# KiCad board AGBM-02_AA_1-1_GBE-plus-CXC_kicad10.kicad_pcb
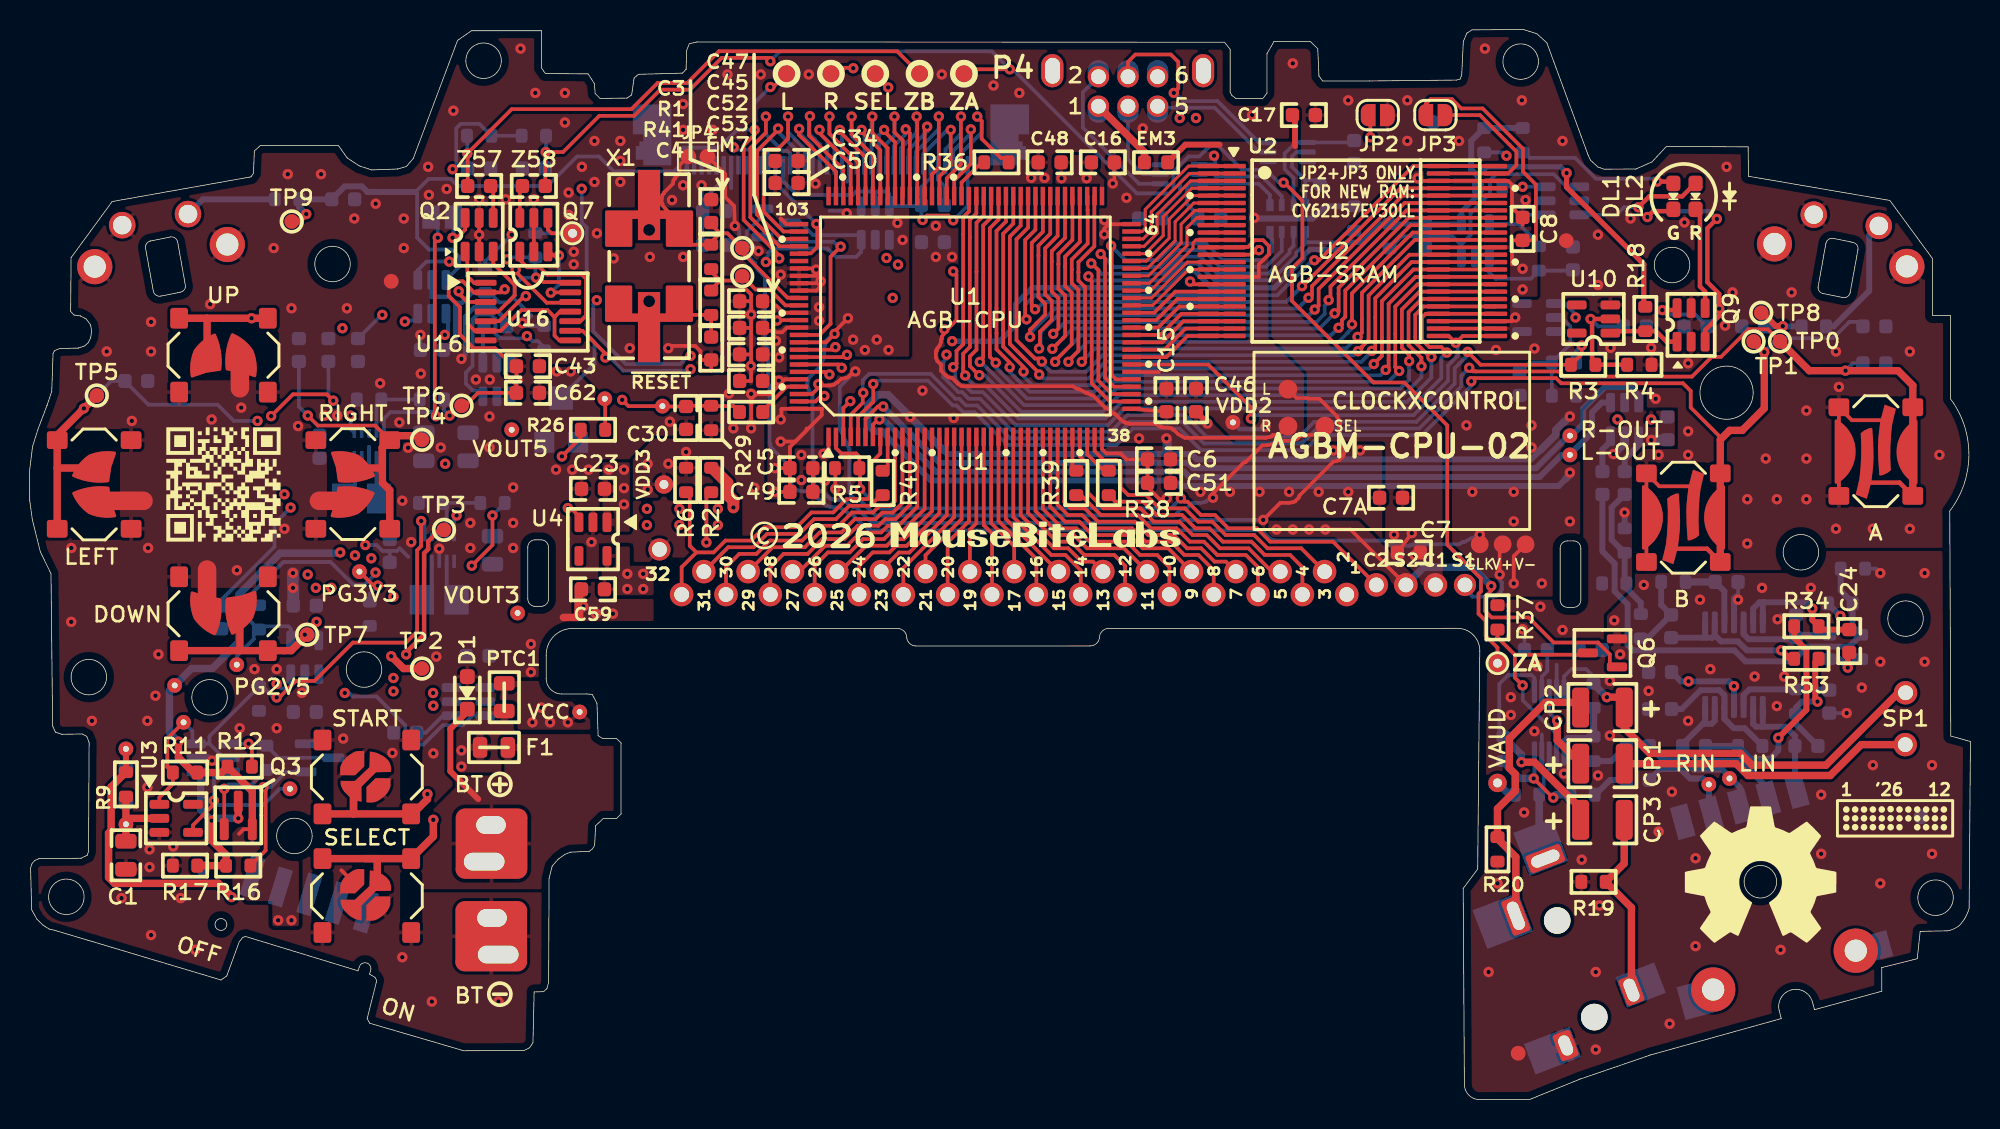
[diagram p0: board, top side]
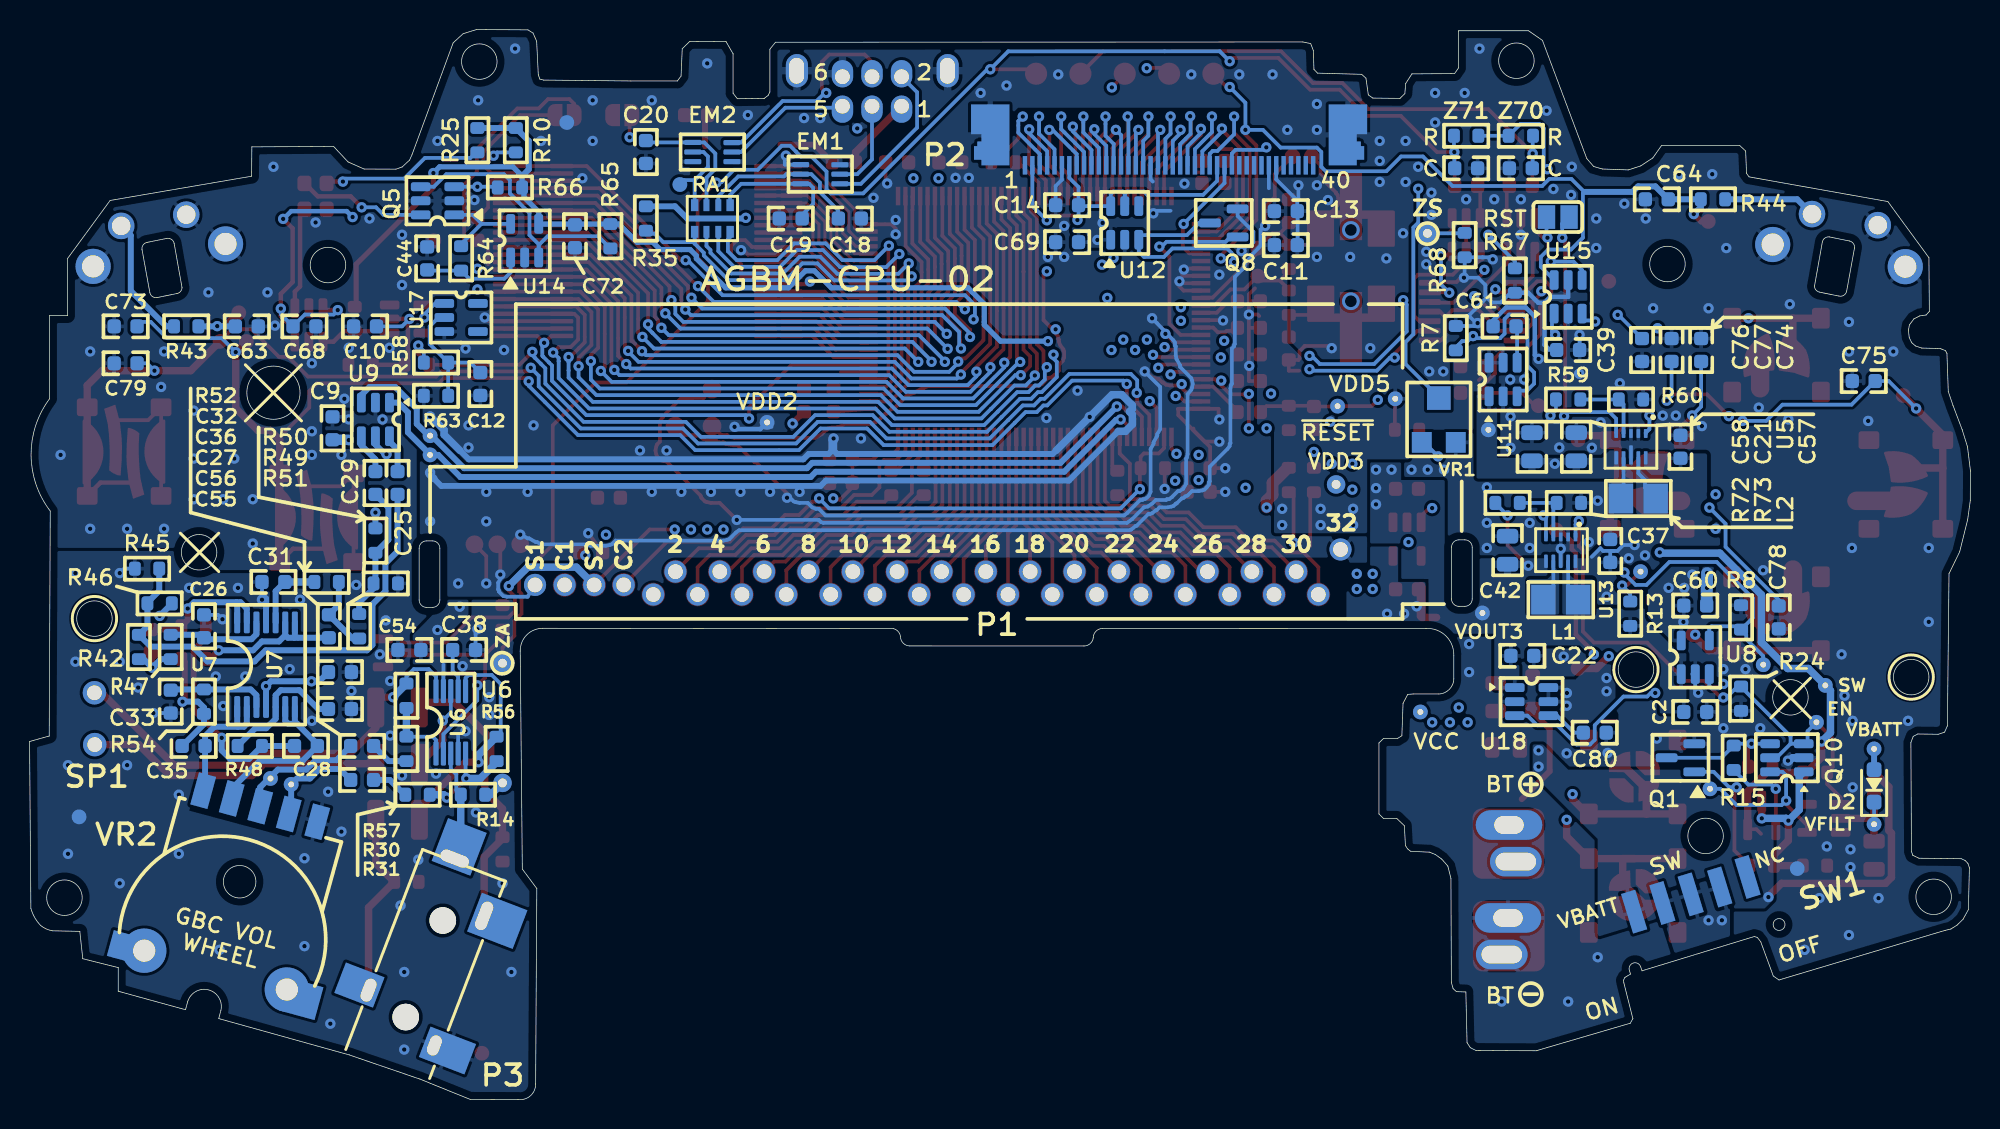
[diagram p1: board, bottom side, seen from below]

Outline 131.32 x 72.42 mm; copper layers: Top, In1.Cu, In2.Cu, Bottom. Coordinates in mm from the lower left corner of the outline.
Outline path: circle c2.49,13.72 r1.2 ; circle c4.01,28.59 r1.2 ; circle c12.18,27.22 r1.2 ; circle c17.92,17.84 r1.2 ; circle c20.5,56.55 r1.2 ; circle c22.63,29.1 r1.2 ; circle c30.72,70.31 r1.2 ; circle c100.89,70.25 r1.2 ; circle c111.13,56.48 r1.2 ; circle c114.82,47.84 r1.8 ; circle c119.85,37.04 r1.2 ; circle c126.93,32.55 r1.2 ; circle c128.96,13.66 r1.2 ; 0,42.55 0.01,40.54 0.19,39.24 0.73,37.07 1.45,35.59 1.56,25.29 1.75,24.86 2.18,24.72 3.56,24.74 3.87,24.58 4.03,24.16 3.99,16.78 3.9,16.53 3.48,16.33 0.62,16.3 0.35,16.17 0.17,15.98 0.07,15.68 0.14,12.85 0.5,12.2 0.91,11.8 1.32,11.54 1.7,11.45 12.95,8.09 13.34,8.36 14.19,10.68 14.42,10.97 14.62,11.03 22.22,8.71 22.32,9 arc(22.84,9.23) 23.07,8.71 23,8.49 23.38,8.26 23.48,8.07 23.45,7.89 22.84,5.47 23.02,5.16 29.37,3.3 33.46,3.32 33.84,3.51 34.06,3.85 34.14,7.28 34.78,7.3 35,7.5 35.12,7.92 35.15,14.96 35.36,15.8 35.77,16.27 36.2,16.58 36.59,16.74 37.88,16.8 38.09,16.97 38.23,17.19 38.3,18.53 38.82,19.03 39.72,19.03 40.02,19.33 40.02,24.13 39.72,24.43 38.78,24.43 38.47,24.62 38.39,26.82 38.07,27.42 37.7,27.45 36,27.45 arc(35.26,27.75) 34.96,28.49 34.96,30.06 arc(35.49,31.38) 36.83,31.88 58.72,31.88 arc(59.16,31.7) 59.35,31.25 arc(59.56,30.86) 59.98,30.7 71.76,30.7 arc(72.21,30.89) 72.39,31.33 arc(72.55,31.68) 72.87,31.87 96.61,31.89 arc(97.69,31.44) 98.12,30.35 97.98,15.6 97,14.28 97.08,1.03 arc(97.33,0.35) 98.28,0 101.51,0.01 104.9,1.38 109.69,3.02 118.52,5.48 118.38,6.01 arc(119.2,7.41) 120.62,6.63 120.77,6.08 125.32,7.33 125.32,8.93 127.72,9.53 127.92,11.38 129.76,11.42 arc(130.01,11.47) 130.58,11.79 arc(130.98,12.32) 131.23,12.94 131.32,24.23 129.99,24.6 129.92,39.83 arc(131.22,43.62) 129.97,47.43 129.97,53.06 128.75,53.06 128.75,56.92 125.87,60.85 116.3,62.49 116.28,64.48 110.75,64.51 109.77,63.46 108.68,62.98 106.53,62.97 106.11,63.12 105.61,63.58 105.45,63.93 102.66,71.52 101.98,72.14 101.07,72.42 97.6,72.4 97.25,72.18 97.01,71.62 96.9,69.37 96.8,69.07 96.54,69 90.63,68.94 87.49,68.94 87.24,69.27 87.16,71.12 86.65,71.62 84.2,71.61 83.72,70.78 83.72,68.11 83.43,67.74 81.61,67.76 81.35,67.96 81.23,68.19 81.23,71.09 80.85,71.56 45.17,71.58 44.64,71.47 44.46,71 44.42,69.73 44.18,69.47 41.19,69.39 40.9,69.13 40.74,68 40.43,67.78 38.6,67.76 38.27,68.08 38.21,68.77 37.79,69.42 34.9,69.44 34.64,69.82 34.64,72.34 29.9,72.34 28.96,71.69 25.96,63.69 25.49,63.15 24.9,62.98 23.14,62.92 22.31,63.19 21.49,63.73 20.9,64.57 15.61,64.57 15.21,64.2 15.15,62.69 14.98,62.45 5.59,60.78 2.81,56.98 2.78,53.34 3,53.1 3.43,53.04 3.83,52.83 4.13,52.43 4.2,52.05 4.14,51.57 3.97,51.22 3.71,51 3.29,50.86 2.04,50.83 1.69,50.69 1.59,50.5 1.5,47.92 1.18,46.98 0.56,45.34 0.2,44.18 0,42.55 ; 7.85,57.63 arc(7.92,57.94) 8.19,58.11 9.54,58.38 arc(9.85,58.31) 10.02,58.03 10.55,55.05 arc(10.47,54.82) 10.21,54.65 8.9,54.38 arc(8.55,54.45) 8.37,54.73 7.85,57.63 ; 33.71,37.38 arc(33.86,37.73) 34.21,37.88 34.61,37.88 arc(34.96,37.73) 35.11,37.38 35.11,33.88 arc(34.96,33.53) 34.61,33.38 34.21,33.38 arc(33.86,33.53) 33.71,33.88 33.71,37.38 ; 103.56,37.31 arc(103.71,37.66) 104.06,37.81 104.46,37.81 arc(104.81,37.66) 104.96,37.31 104.96,33.81 arc(104.81,33.46) 104.46,33.31 104.06,33.31 arc(103.71,33.46) 103.56,33.81 103.56,37.31 ; 121.34,54.55 arc(121.09,54.72) 121.01,54.96 121.54,57.93 arc(121.71,58.21) 122.07,58.28 123.37,58.01 arc(123.64,57.84) 123.71,57.53 123.19,54.63 arc(123.01,54.35) 122.7,54.28 121.34,54.55
Stack: Top 0.035mm / dielectric 0.1mm FR4 er 4.5 / In1.Cu 0.035mm / dielectric 0.84mm FR4 er 4.5 / In2.Cu 0.035mm / dielectric 0.1mm FR4 er 4.5 / Bottom 0.035mm

## Placement (name value [footprint] x y rotation side)
BT1  Battery  [AGB-Battery]  31.22 14.13 0 top  (not fitted)
C1  22u  [C_0805_2012Metric_Boxed_2]  6.52 16.53 270 top
C2  10u  [C_0603_1608Metric_Boxed_2]  18.62 26.23 180 bottom
C3  27p  [C_0603_1608Metric_Boxed_2]  46.12 60.13 270 top  (not fitted)
C4  33p  [C_0603_1608Metric_Boxed_2]  46.12 50.83 270 top  (not fitted)
C5  0.1u  [C_0603_1608Metric_Boxed_2]  52.22 42.73 180 top
C6  0.1u  [C_0603_1608Metric_Boxed_2]  76.42 43.33 0 top
C7  0.1u  [C_0603_1608Metric_Boxed_2]  93.32 37.03 180 top
C7A  0.1u DNP-alt  [C_0603_1608Metric_Boxed_2]  92.12 40.73 180 top  (not fitted)
C8  0.1u  [C_0603_1608Metric_Boxed_2]  101.02 58.93 90 top
C9  1u  [C_0603_1608Metric_Boxed_2]  110.82 45.43 90 bottom
C10  0.1u  [C_0603_1608Metric_Boxed_2]  108.62 52.33 0 bottom
C11  1u  [C_0603_1608Metric_Boxed_2]  46.32 57.83 180 bottom
C12  10u  [C_0603_1608Metric_Boxed_2]  100.82 48.43 270 bottom
C13  0.1u  [C_0603_1608Metric_Boxed_2]  46.32 60.13 180 bottom
C14  0.1u  [C_0603_1608Metric_Boxed_2]  61.12 60.53 0 bottom
C15  0.1u  [C_0603_1608Metric_Boxed_2]  76.92 47.33 270 top
C16  0.1u  [C_0603_1608Metric_Boxed_2]  72.62 63.43 0 top
C17  0.1u  [C_0603_1608Metric_Boxed_2]  86.22 66.63 0 top
C18  100p  [C_0603_1608Metric_Boxed_2]  75.82 59.63 180 bottom
C19  100p  [C_0603_1608Metric_Boxed_2]  79.82 59.63 0 bottom
C20  100p  [C_0603_1608Metric_Boxed_2]  89.62 64.13 270 bottom
C21  22u  [C_0805_2012Metric_Boxed_2]  26.67 44.18 90 bottom
C22  1u  [C_0603_1608Metric_Boxed_2]  30.32 30.03 180 bottom
C23  10u  [C_0603_1608Metric_Boxed_2]  38.12 41.33 180 top
C24  1000p  [C_0603_1608Metric_Boxed_2]  123.12 31.03 90 top
C25  1u  [C_0603_1608Metric_Boxed_2]  106.42 41.73 270 bottom
C26  680p  [C_0603_1608Metric_Boxed_2]  119.52 32.03 90 bottom
C27  330p  [C_0603_1608Metric_Boxed_2]  110.32 26.43 180 bottom
C28  3300p  [C_0603_1608Metric_Boxed_2]  112.62 23.93 180 bottom
C29  1u  [C_0603_1608Metric_Boxed_2]  107.92 41.73 270 bottom
C30  1u  [C_0603_1608Metric_Boxed_2]  44.42 46.13 90 top
C31  680p  [C_0603_1608Metric_Boxed_2]  114.82 35.03 0 bottom
C32  1000p  [C_0603_1608Metric_Boxed_2]  111.07 32.03 270 bottom
C33  330p  [C_0603_1608Metric_Boxed_2]  121.77 26.93 270 bottom
C34  0.1u  [C_0603_1608Metric_Boxed_2]  51.22 63.53 0 top
C35  3300p  [C_0603_1608Metric_Boxed_2]  120.22 23.93 180 bottom
C36  1u  [C_0603_1608Metric_Boxed_2]  110.32 28.93 180 bottom
C37  10u  [C_0603_1608Metric_Boxed_2]  24.37 37.13 90 bottom
C38  1u  [C_0603_1608Metric_Boxed_2]  101.92 30.43 180 bottom
C39  0.1u  [C_0603_1608Metric_Boxed_2]  27.22 50.73 180 bottom
C42  22u  [C_0805_2012Metric_Boxed_2]  31.32 37.18 90 bottom
C43  0.1u  [C_0603_1608Metric_Boxed_2]  33.72 49.63 180 top
C44  1u  [C_0603_1608Metric_Boxed_2]  104.42 56.93 90 bottom
C45  1u  [C_0603_1608Metric_Boxed_2]  48.82 52.23 180 top
C46  1u  [C_0603_1608Metric_Boxed_2]  78.92 47.33 270 top
C47  1u  [C_0603_1608Metric_Boxed_2]  48.82 54.03 180 top
C48  1u  [C_0603_1608Metric_Boxed_2]  69.02 63.43 180 top
C49  1u  [C_0603_1608Metric_Boxed_2]  52.22 41.13 180 top
C50  1u  [C_0603_1608Metric_Boxed_2]  51.22 62.03 0 top
C51  1u  [C_0603_1608Metric_Boxed_2]  76.42 41.73 0 top
C52  0.1u  [C_0603_1608Metric_Boxed_2]  48.82 50.43 180 top
C53  0.1u  [C_0603_1608Metric_Boxed_2]  48.82 48.63 180 top
C54  1u  [C_0603_1608Metric_Boxed_2]  105.62 30.43 0 bottom
C55  1u  [C_0603_1608Metric_Boxed_2]  108.82 21.63 180 bottom
C56  1u  [C_0603_1608Metric_Boxed_2]  108.82 23.93 180 bottom
C57  10u  [C_0603_1608Metric_Boxed_2]  19.62 44.18 90 bottom
C58  22u  [C_0805_2012Metric_Boxed_2]  29.67 44.18 90 bottom
C59  10u  [C_0603_1608Metric_Boxed_2]  38.12 34.53 180 top
C60  10u  [C_0603_1608Metric_Boxed_2]  18.62 33.43 180 bottom
C61  3300p  [C_0603_1608Metric_Boxed_2]  31.52 52.33 0 bottom
C62  0.01u  [C_0603_1608Metric_Boxed_2]  33.72 47.83 180 top
C63  0.01u  [C_0603_1608Metric_Boxed_2]  116.62 52.33 0 bottom
C64  0.01u  [C_0603_1608Metric_Boxed_2]  21.22 60.93 180 bottom
C68  10u  [C_0603_1608Metric_Boxed_2]  112.72 52.33 180 bottom
C69  1u  [C_0603_1608Metric_Boxed_2]  61.12 58.03 0 bottom
C70  27p  [C_0603_1608Metric_Boxed_2]  30.42 63.03 0 bottom
C71  27p  [C_0603_1608Metric_Boxed_2]  34.12 63.03 180 bottom
C72  0.1u  [C_0603_1608Metric_Boxed_2]  94.42 58.43 270 bottom
C73  0.01u  [C_0603_1608Metric_Boxed_2]  124.82 52.33 180 bottom
C74  0.01u  [C_0603_1608Metric_Boxed_2]  18.22 50.73 270 bottom
C75  0.01u  [C_0603_1608Metric_Boxed_2]  7.22 48.63 180 bottom
C76  0.01u  [C_0603_1608Metric_Boxed_2]  22.22 50.73 90 bottom
C77  0.01u  [C_0603_1608Metric_Boxed_2]  20.22 50.73 270 bottom
C78  0.01u  [C_0603_1608Metric_Boxed_2]  12.97 32.63 90 bottom
C79  0.01u  [C_0603_1608Metric_Boxed_2]  124.82 49.83 180 bottom
C80  3300p  [C_0603_1608Metric_Boxed_2]  25.42 24.83 180 bottom
CP1  100u  [C_1210_3225Metric_Boxed_2]  106.42 22.73 0 top
CP2  100u  [C_1210_3225Metric_Boxed_2]  106.42 26.53 180 top
CP3  100u  [C_1210_3225Metric_Boxed_2]  106.42 18.93 0 top
D1  1SS355VMTE-17  [D_SOD-323F]  29.62 27.52 90 top
D2  1SS355VMTE-17  [D_SOD-323F]  6.52 21.23 90 bottom
DL1  150060GS75000  [LED_0603_1608Metric_Pad1.05x0.95mm_HandSolder]  111.22 61.13 90 top
DL2  150060RS75000  [LED_0603_1608Metric_Pad1.05x0.95mm_HandSolder]  112.72 61.13 90 top
EM1  ACM2520-801-3P-T002  [L_CommonModeChoke_TDK_ACM2520-3P]  77.82 62.63 180 bottom
EM2  ACM2520-801-3P-T002  [L_CommonModeChoke_TDK_ACM2520-3P]  85.12 64.13 180 bottom
EM3  MH1608-601Y  [L_0603_1608Metric]  76.22 63.43 180 top
EM7  MH1608-601Y  [L_0603_1608Metric]  48.82 46.53 0 top
F1  F0805B2R00FSTR  [Fuse_0805_2012Metric]  31.42 23.83 180 top
FID1  Fiducial  [Fiducial_1mm_Mask2mm]  100.72 3.13 0 top
FID2  Fiducial  [Fiducial_1mm_Mask2mm]  103.97 58.13 0 top
FID3  Fiducial  [Fiducial_1mm_Mask2mm]  24.47 55.38 0 top
FID4  Fiducial  [Fiducial_1mm_Mask2mm]  127.97 19.13 0 bottom
FID5  Fiducial  [Fiducial_1mm_Mask2mm]  94.97 66.13 0 bottom
FID6  Fiducial  [Fiducial_1mm_Mask2mm]  11.72 15.63 0 bottom
G***  -  [LOGO]  13.12 41.63 0 top  (not fitted)
G***#2  -  [LOGO]  68.12 38.23 0 top  (not fitted)
G***#3  -  [LOGO]  117.12 15.23 0 top  (not fitted)
G***#4  -  [LOGO]  69.42 59.23 180 bottom
G***#5  -  [LOGO]  6.42 34.33 180 bottom
JP1  Jumper_2_Open  [SJ]  27.92 59.73 180 bottom  (not fitted)
JP2  Jumper_2_Open  [SJ_ROUNDED]  91.22 66.63 180 top  (not fitted)
JP3  Jumper_2_Open  [SJ_ROUNDED]  95.12 66.63 0 top  (not fitted)
JP4  CXC CLK  [SolderJumper_2_Open]  45.22 63.83 0 top
L1  0.47uH  [L_Taiyo-Yuden_NR-20xx_HandSoldering]  27.72 33.83 180 bottom
L2  0.47uH  [L_Taiyo-Yuden_NR-20xx_HandSoldering]  22.47 40.68 180 bottom
MOD1  ClockxControl  [ClockxControl_GBA_GBC]  92.17 44.58 180 top
NT1  NetTie_2  [NetTie-2_SMD_Pad0.5mm]  36.62 32.63 0 top
P1  CART SLOT  [AGB-Cart-Slot]  67.12 34.83 0 top  (not fitted)
P2  FFC CONNECTOR  [AGB-FFC-Connector]  54.22 63.23 0 bottom
P3  SJ-3524-SMT  [CUI_SJ-3524-SMT]  105.87 5.58 111 bottom
P4  AGB-LINK  [AGB-EXT]  74.32 67.23 0 top  (not fitted)
PTC1  0805L110SLYR  [Fuse_0805_2012Metric]  32.12 27.23 90 top
Q1  2N3904  [SOT-23#2]  19.62 23.13 0 bottom
Q2  NDC7002N  [TSOT-23-6]  30.42 58.53 90 top
Q3  2N3906  [SOT-23#2]  14.12 19.23 90 top
Q5  NDC7002N  [TSOT-23-6]  103.72 60.83 0 bottom
Q6  2N7002  [SOT-23]  106.42 30.23 180 top
Q7  NDC7002N  [TSOT-23-6]  34.12 58.53 90 top
Q8  2N7002  [SOT-23#2]  50.52 59.33 0 bottom
Q9  FDC6301N  [TSOT-23-6]  112.42 52.43 90 top
Q10  FDC6301N  [TSOT-23-6]  12.42 23.13 0 bottom
R1  1.5M  [R_0603_1608Metric_Boxed]  46.12 57.03 270 top
R2  10k  [R_0603_1608Metric_Boxed]  46.12 41.93 270 top
R3  5.1k  [R_0603_1608Metric_Boxed]  105.12 49.73 0 top
R4  33k  [R_0603_1608Metric_Boxed]  108.92 49.73 0 top
R5  100k  [R_0603_1608Metric_Boxed]  55.32 42.73 180 top
R6  100k  [R_0603_1608Metric_Boxed]  44.42 41.93 270 top
R7  100k  [R_0603_1608Metric_Boxed]  34.82 51.53 270 bottom
R8  100k  [R_0603_1608Metric_Boxed]  15.52 32.63 270 bottom
R9  100k  [R_0603_1608Metric_Boxed]  6.52 21.33 270 top
R10  20k  [R_0603_1608Metric_Boxed]  98.42 64.93 270 bottom
R11  10k  [R_0603_1608Metric_Boxed]  10.52 22.13 180 top
R12  100k  [R_0603_1608Metric_Boxed]  14.22 22.53 0 top
R13  100k  [R_0603_1608Metric_Boxed]  23.02 32.88 270 bottom
R14  100k  [R_0603_1608Metric_Boxed]  101.32 20.63 0 bottom
R15  100k  [R_0603_1608Metric_Boxed]  16.02 23.13 90 bottom
R16  100k  [R_0603_1608Metric_Boxed]  14.12 15.83 0 top
R17  100k  [R_0603_1608Metric_Boxed]  10.52 15.83 180 top
R18  10k  [R_0603_1608Metric_Boxed]  109.32 52.83 270 top
R19  1k  [R_0603_1608Metric_Boxed]  105.82 14.73 180 top
R20  1k  [R_0603_1608Metric_Boxed]  99.32 16.93 270 top
R24  1M  [R_0603_1608Metric_Boxed]  15.52 27.13 270 bottom
R25  22k  [R_0603_1608Metric_Boxed]  101.02 64.93 270 bottom
R26  33k  [R_0603_1608Metric_Boxed]  38.12 45.33 0 top
R29  18k  [R_0603_1608Metric_Boxed]  46.12 46.13 270 top
R30  100k  [R_0603_1608Metric_Boxed]  105.82 23.73 270 bottom
R31  100k  [R_0603_1608Metric_Boxed]  105.07 20.63 0 bottom
R34  5.1k  [R_0603_1608Metric_Boxed]  120.22 32.03 0 top
R35  100k  [R_0603_1608Metric_Boxed]  89.62 59.63 90 bottom
R36  270  [R_0603_1608Metric_Boxed]  65.42 63.43 180 top
R37  100k  [R_0603_1608Metric_Boxed]  99.32 32.63 270 top
R38  47  [R_0603_1608Metric_Boxed]  73.02 41.73 90 top
R39  47  [R_0603_1608Metric_Boxed]  70.82 41.73 90 top
R40  15  [R_0603_1608Metric_Boxed]  57.72 41.73 90 top
R41  2.2k  [R_0603_1608Metric_Boxed]  46.12 53.93 270 top
R42  7.5k  [R_0603_1608Metric_Boxed]  123.92 30.63 90 bottom
R43  15  [R_0603_1608Metric_Boxed]  120.72 52.33 180 bottom
R44  15  [R_0603_1608Metric_Boxed]  17.42 60.93 0 bottom
R45  100k  [R_0603_1608Metric_Boxed]  123.37 35.93 0 bottom
R46  100k  [R_0603_1608Metric_Boxed]  122.52 33.58 0 bottom
R47  20k  [R_0603_1608Metric_Boxed]  121.77 30.63 90 bottom
R48  18k  [R_0603_1608Metric_Boxed]  116.42 23.93 0 bottom
R49  100k  [R_0603_1608Metric_Boxed]  107.22 34.93 180 bottom
R50  100k  [R_0603_1608Metric_Boxed]  107.92 37.83 270 bottom
R51  7.5k  [R_0603_1608Metric_Boxed]  109.02 32.03 90 bottom
R52  20k  [R_0603_1608Metric_Boxed]  111.22 35.03 0 bottom
R53  5.1k  [R_0603_1608Metric_Boxed]  120.22 29.83 180 top
R54  18k  [R_0603_1608Metric_Boxed]  119.52 26.93 90 bottom
R56  20k  [R_0603_1608Metric_Boxed]  99.72 23.73 90 bottom
R57  20k  [R_0603_1608Metric_Boxed]  105.82 27.33 270 bottom
R58  5.1k  [R_0603_1608Metric_Boxed]  103.82 49.88 180 bottom
R59  820k  [R_0603_1608Metric_Boxed]  27.22 47.38 180 bottom
R60  91k  [R_0603_1608Metric_Boxed]  22.97 47.38 180 bottom
R63  100k  [R_0603_1608Metric_Boxed]  103.82 47.63 0 bottom
R64  200k  [R_0603_1608Metric_Boxed]  102.12 56.93 270 bottom
R65  470k  [R_0603_1608Metric_Boxed]  92.02 58.43 270 bottom
R66  100k  [R_0603_1608Metric_Boxed]  98.82 61.73 0 bottom
R67  100k  [R_0603_1608Metric_Boxed]  30.82 55.43 90 bottom
R68  100k  [R_0603_1608Metric_Boxed]  34.22 57.83 90 bottom
R70  100k  [R_0603_1608Metric_Boxed]  30.42 65.23 180 bottom  (not fitted)
R71  100k  [R_0603_1608Metric_Boxed]  34.12 65.23 0 bottom  (not fitted)
R72  510k  [R_0603_1608Metric_Boxed]  31.32 40.38 180 bottom
R73  91k  [R_0603_1608Metric_Boxed]  27.17 40.38 180 bottom
RA1  330  [R_Array_Convex_4x0603]  85.12 59.63 90 bottom
SP1  Speaker  [AGB-Speaker]  126.91 27.53 0 top
SW1  CSS-1310B  [AGB-Switch_CSS-1X10B_Uncentered]  18.72 11.23 163 bottom
SW2  1825027-5  [AGB-L]  10.72 59.93 0 top  (not fitted)
SW3  1825027-5  [AGB-R]  125.12 59.13 0 top  (not fitted)
SW4  SKRRABE010  [AGB-AB-Tact]  118.62 41.63 0 top  (not fitted)
SW5  SKRRABE010  [AGB-Start-Select-Tact]  22.82 21.83 0 top  (not fitted)
SW6  SKRRABE010  [AGB-DPAD-Tact]  13.12 41.63 0 top  (not fitted)
TP0  TP0  [TestPoint_Pad_D1.0mm#2]  118.43 51.31 0 top  (not fitted)
TP1  TP1  [TestPoint_Pad_D1.0mm#2]  116.65 51.3 0 top  (not fitted)
TP2  TP2  [TestPoint_Pad_D1.0mm#2]  26.55 29.17 0 top  (not fitted)
TP3  TP3  [TestPoint_Pad_D1.0mm#2]  28.04 38.55 0 top  (not fitted)
TP4  TP4  [TestPoint_Pad_D1.0mm#2]  26.55 44.65 0 top  (not fitted)
TP5  TP5  [TestPoint_Pad_D1.0mm#2]  4.55 47.65 0 top  (not fitted)
TP6  TP6  [TestPoint_Pad_D1.0mm#2]  29.23 46.96 0 top  (not fitted)
TP7  TP7  [TestPoint_Pad_D1.0mm#2]  18.78 31.46 0 top  (not fitted)
TP8  TP8  [TestPoint_Pad_D1.0mm#2]  117.16 53.25 0 top  (not fitted)
TP9  TP9  [TestPoint_Pad_D1.0mm#2]  17.74 59.43 0 top  (not fitted)
TP10  TOUCH1  [TestPoint_Pad_D1.0mm]  60.22 69.43 0 top  (not fitted)
TP11  TOUCH2  [TestPoint_Pad_D1.25mm_VIA]  99.32 29.53 0 top  (not fitted)
TP12  TestPoint  [TestPoint_Pad_D1.25mm_VIA]  36.74 58.63 0 top  (not fitted)
TP13  VOUT5  [TestPoint_Pad_D1.0mm_VIA]  32.62 45.33 0 top
TP14  VDD5  [TestPoint_Pad_D1.0mm_VIA]  38.92 47.43 0 top
TP15  ~{RESET}  [TestPoint_Pad_D1.0mm_VIA]  42.82 46.93 0 top
TP16  VOUT3  [TestPoint_Pad_D1.0mm_VIA]  33.02 32.93 0 top
TP17  ~{MR}  [TestPoint_Pad_D1.0mm_VIA]  17.62 21.03 0 top  (not fitted)
TP18  VDD2  [TestPoint_Pad_D1.0mm_VIA]  81.42 45.83 0 top
TP19  VBATT  [TestPoint_Pad_D1.0mm_VIA]  6.52 23.73 0 top  (not fitted)
TP20  SW  [TestPoint_Pad_D1.0mm_VIA]  9.82 28.03 0 top  (not fitted)
TP21  VDD3  [TestPoint_Pad_D1.25mm_VIA]  42.92 41.63 0 bottom
TP22  VAUD  [TestPoint_Pad_D1.25mm_VIA]  99.32 21.43 0 top
TP23  PG3  [TestPoint_Pad_D1.0mm_VIA]  22.32 35.73 0 top
TP24  EN  [TestPoint_Pad_D1.0mm_VIA]  10.42 25.53 0 top  (not fitted)
TP25  SCK  [TestPoint_Pad_D1.0mm#2]  87.32 61.93 0 bottom  (not fitted)
TP26  VFILT  [TestPoint_Pad_D1.0mm_VIA]  6.52 18.63 0 top  (not fitted)
TP27  R  [TestPoint_Pad_D1.0mm]  54.22 69.43 0 top  (not fitted)
TP28  L  [TestPoint_Pad_D1.0mm]  51.22 69.43 0 top  (not fitted)
TP29  SEL  [TestPoint_Pad_D1.0mm]  57.22 69.43 0 top  (not fitted)
TP30  PG2V5  [TestPoint_Pad_D1.0mm_VIA]  14.02 29.43 0 top
TP31  TOUCH2B  [TestPoint_Pad_D1.0mm]  63.22 69.43 0 top  (not fitted)
TP32  VCC  [TestPoint_Pad_D1.0mm_VIA]  37.22 26.23 0 top  (not fitted)
TP33  LIN  [TestPoint_Pad_D1.0mm_VIA]  115.02 21.73 0 top
TP34  RIN  [TestPoint_Pad_D1.0mm_VIA]  113.62 21.33 0 top
TP80  CK1  [TestPoint_Pad_D1.0mm#2]  48.22 57.63 0 top
TP81  CK2  [TestPoint_Pad_D1.0mm#2]  48.22 55.73 0 top
TP83  CXC CLK wire  [TestPoint_Pad_D1.0mm#3]  98.12 37.58 0 top
TP84  CXC V+ wire  [TestPoint_Pad_D1.0mm#3]  99.67 37.58 0 top
TP85  CXC V- wire  [TestPoint_Pad_D1.0mm#3]  101.22 37.58 0 top
TP114  R-OUT  [TestPoint_Pad_D1.0mm_VIA]  104.22 44.93 0 top
TP115  L-OUT  [TestPoint_Pad_D1.0mm_VIA]  104.22 43.63 0 top
U1  -  [AGB-CPU]  63.31 52.75 0 top
U2  AGB-SRAM  [AGB-SRAM_2]  88.22 57.43 0 top
U3  TPS3840DL20  [SOT-23-5]  9.92 19.03 0 top
U4  NCV8164ASN250T1G  [SOT-23-5]  38.12 37.93 270 top
U5  TPS63802  [VREG_TPS63802DLAR]  22.97 44.18 270 bottom
U6  LM4853  [MSOP-10_3x3mm_P0.5mm]  102.82 25.53 90 bottom
U7  TLV9064IPWR  [TSSOP-14_4.4x5mm_P0.65mm]  115.32 29.43 90 bottom
U8  NCV8164ASN250T1G  [SOT-23-5]  18.62 29.93 90 bottom
U9  SN74LVC2G34DBVR  [TSOT-23-6]  107.92 46.03 270 bottom
U10  TPS3840DL20  [SOT-23-5]  105.82 52.83 180 top
U11  TPS22917DBV  [TSOT-23-6]  31.62 48.73 90 bottom
U12  TPS22917DBV  [TSOT-23-6]  57.22 59.33 90 bottom
U13  TPS63802  [VREG_TPS63802DLAR]  27.72 37.18 270 bottom
U14  MIC1553  [SOT-23-5]  97.82 58.13 90 bottom
U15  SN74LVC1G332  [TSOT-23-6]  27.22 54.33 90 bottom
U16  SN74HC02PWR  [TSSOP-14_4.4x5mm_P0.65mm]  33.72 53.33 0 top
U17  TPS3840DL20  [SOT-23-5]  102.12 52.93 180 bottom
U18  TPS22917DBV  [TSOT-23-6]  29.69 26.93 180 bottom
VR1  50k  [3313J-2]  35.97 46.03 90 bottom
VR2  RK10J12R0A0B  [RK10J12R0A0B_w_THT]  118.08 11.17 15.2 bottom
X1  4.194304MHz  [AGB-Crystal]  41.91 56.41 0 top  (not fitted)
Z57  100p or 0 ohm  [C_0603_1608Metric_Boxed_2]  30.42 61.83 180 top
Z58  100p or 0 ohm  [C_0603_1608Metric_Boxed_2]  34.12 61.83 0 top

## Library data of the parts
BT1 = -: Description: Multiple-cell battery; Source: https://retrogamerepairshop.com/collections/gba-power/products/gba-game-boy-advance-high-quality-replacement-battery-contact-terminals?variant=37893117411500
C1 C21 C42 C58 = -: Description: Unpolarized capacitor; Source: https://www.digikey.com/short/3mhhrd2f; ki_fp_filters: C_*
C2 C12 C23 C59 C60 C68 = -: Description: Unpolarized capacitor, small symbol; Source: https://www.digikey.com/short/qd4q4f1m; ki_fp_filters: C_*
C3 C70 C71 = -: Description: Unpolarized capacitor, small symbol; Source: https://www.digikey.com/short/3dr3j004; ki_fp_filters: C_*
C4 = -: Description: Unpolarized capacitor, small symbol; Source: https://www.digikey.com/short/q8jbrfqj; ki_fp_filters: C_*
C5-C7 C7A C8 C10 C13-C17 C34 C39 C43 C52 C53 C72 = -: Description: Unpolarized capacitor, small symbol; Source: https://www.digikey.com/short/m958w3z3; ki_fp_filters: C_*
C9 C11 C22 C25 C29 C30 C36 C38 C44-C51 C54-C56 C69 = -: Description: Unpolarized capacitor, small symbol; Source: https://www.digikey.com/short/2ppmm3vt; ki_fp_filters: C_*
C18-C20 Z57 Z58 = -: Description: Unpolarized capacitor, small symbol; Source: https://www.digikey.com/short/h34j0h9q; ki_fp_filters: C_*
C24 C32 = -: Description: Unpolarized capacitor, small symbol; Source: https://www.digikey.com/short/377h8558; ki_fp_filters: C_*
C26 C31 = -: Description: Unpolarized capacitor, small symbol; Source: https://www.digikey.com/short/jm5qjr7w; ki_fp_filters: C_*
C27 C33 = -: Description: Unpolarized capacitor, small symbol; Source: https://www.digikey.com/short/5ptw22qq; ki_fp_filters: C_*
C28 C35 C61 C80 = -: Description: Unpolarized capacitor, small symbol; Source: https://www.digikey.com/short/3p3jj3wt; ki_fp_filters: C_*
C37 C57 = -: Description: Unpolarized capacitor; Source: https://www.digikey.com/short/qd4q4f1m; ki_fp_filters: C_*
C62-C64 C73-C79 = -: Description: Unpolarized capacitor, small symbol; Source: https://www.digikey.com/short/j50jww8m; ki_fp_filters: C_*
CP1-CP3 = -: Description: Polarized capacitor, small symbol; Source: https://www.digikey.com/short/332b01qh; ki_fp_filters: CP_*
D1 D2 = -: Description: Schottky diode; Source: https://www.digikey.com/short/b42wmndz; ki_fp_filters: TO-???* *_Diode_* *SingleDiode* D_*
DL1 = -: Description: Light emitting diode; Sim.Pins: 1=K 2=A; Source: https://www.digikey.com/short/ttf7q4w7; ki_fp_filters: LED* LED_SMD:* LED_THT:*
DL2 = -: Description: Light emitting diode; Sim.Pins: 1=K 2=A; Source: https://www.digikey.com/short/83vdcfv3; ki_fp_filters: LED* LED_SMD:* LED_THT:*
EM1 EM2 = -: Description: EMI 3-inductor filter; Source: https://www.digikey.com/short/771087dh; ki_fp_filters: L* L_CommonMode*
EM3 EM7 = -: Description: Inductor, small symbol; Source: https://www.digikey.com/short/c329ffdd; ki_fp_filters: Choke_* *Coil* Inductor_* L_*
F1 = -: Description: Fast-acting thin-film chip fuse, 2.00 A, 63 V, 0805; Source: https://www.digikey.com/short/98cdp3tv; ki_fp_filters: *Fuse*
JP1-JP3 = -: Description: Jumper, 2-pole, open; ki_fp_filters: Jumper* TestPoint*2Pads* TestPoint*Bridge*
L1 L2 = -: Description: Inductor; Source: https://www.digikey.com/short/m9hwf8cw; ki_fp_filters: Choke_* *Coil* Inductor_* L_*
NT1 = -: Description: Net tie, 2 pins; ki_fp_filters: Net*Tie*
P1 = -: Description: GBA Cart Connector; Source: https://tinyurl.com/4uwbr8er
P2 = -: Description: GBA LCD Connector (40-pin); Source: https://www.digikey.com/short/13cnr9vq
P3 = -: MF: Same Sky; Description_1: 3.5 mm, Stereo, Right Angle, Surface Mount (SMT), 3 Conductors, 1 Internal Switch, Audio Jack Connector; Package: None; Price: None; STANDARD: Manufacturer recommendations; PARTREV: 1.03; SnapEDA_Link: https://www.snapeda.com/parts/SJ-3524-SMT-TR/Same+Sky/view-part/?ref=snap; MP: SJ-3524-SMT-TR; Availability: In Stock; Check_prices: https://www.snapeda.com/parts/SJ-3524-SMT-TR/Same+Sky/view-part/?ref=eda; Source: https://www.digikey.com/short/r4b2bq43
P4 = -: Description: GBA Link Port; Source: https://tinyurl.com/253x94mn
PTC1 = -: Description: PPTC resettable fuse, Littelfuse Low Rho, 1.10 A hold / 1.80 A trip, 6 Vdc, 0805; Source: https://www.digikey.com/short/43nq0332; ki_fp_filters: *Fuse*
Q1 = -: Description: NPN transistor, base/emitter/collector; Sim.Device: NPN; Sim.Pins: 1=B 2=C 3=E; Source: https://www.digikey.com/short/5j230h4f
Q2 Q5 Q7 Q9 Q10 = -: Description: Dual NMOS transistor, 6 pin package; Source: https://www.digikey.com/short/28n9329f
Q3 = -: Description: PNP transistor, base/emitter/collector; Sim.Device: PNP; Sim.Pins: 1=B 2=C 3=E; Source: https://www.digikey.com/short/hhdhqzd8
Q6 Q8 = -: Description: N-MOSFET transistor, gate/source/drain; Source: https://www.digikey.com/short/vbm0z4md
R1 = -: Description: Resistor, small symbol; Source: https://www.digikey.com/short/pd49zr2b; ki_fp_filters: R_*
R2 R15 R16 R18 = -: Description: Resistor, small symbol; Source: https://www.digikey.com/short/t130htj0; ki_fp_filters: R_*
R3 R34 R53 R58 = -: Description: Resistor, small symbol; Source: https://www.digikey.com/short/qqj3r2v5; ki_fp_filters: R_*
R4 R26 = -: Description: Resistor, small symbol; Source: https://www.digikey.com/short/t0dpzzp1; ki_fp_filters: R_*
R5 R6 R8 R9 R12-R14 R17 R24 R30 R31 R35 R37 R45 R46 R49 R50 R59 R60 R63 R65 R66 R72 R73 = -: Description: Resistor, small symbol; Source: https://www.digikey.com/short/rpz9t4md; ki_fp_filters: R_*